# Altium PCB qfc.PcbDoc (part 8 of 13) (continued)
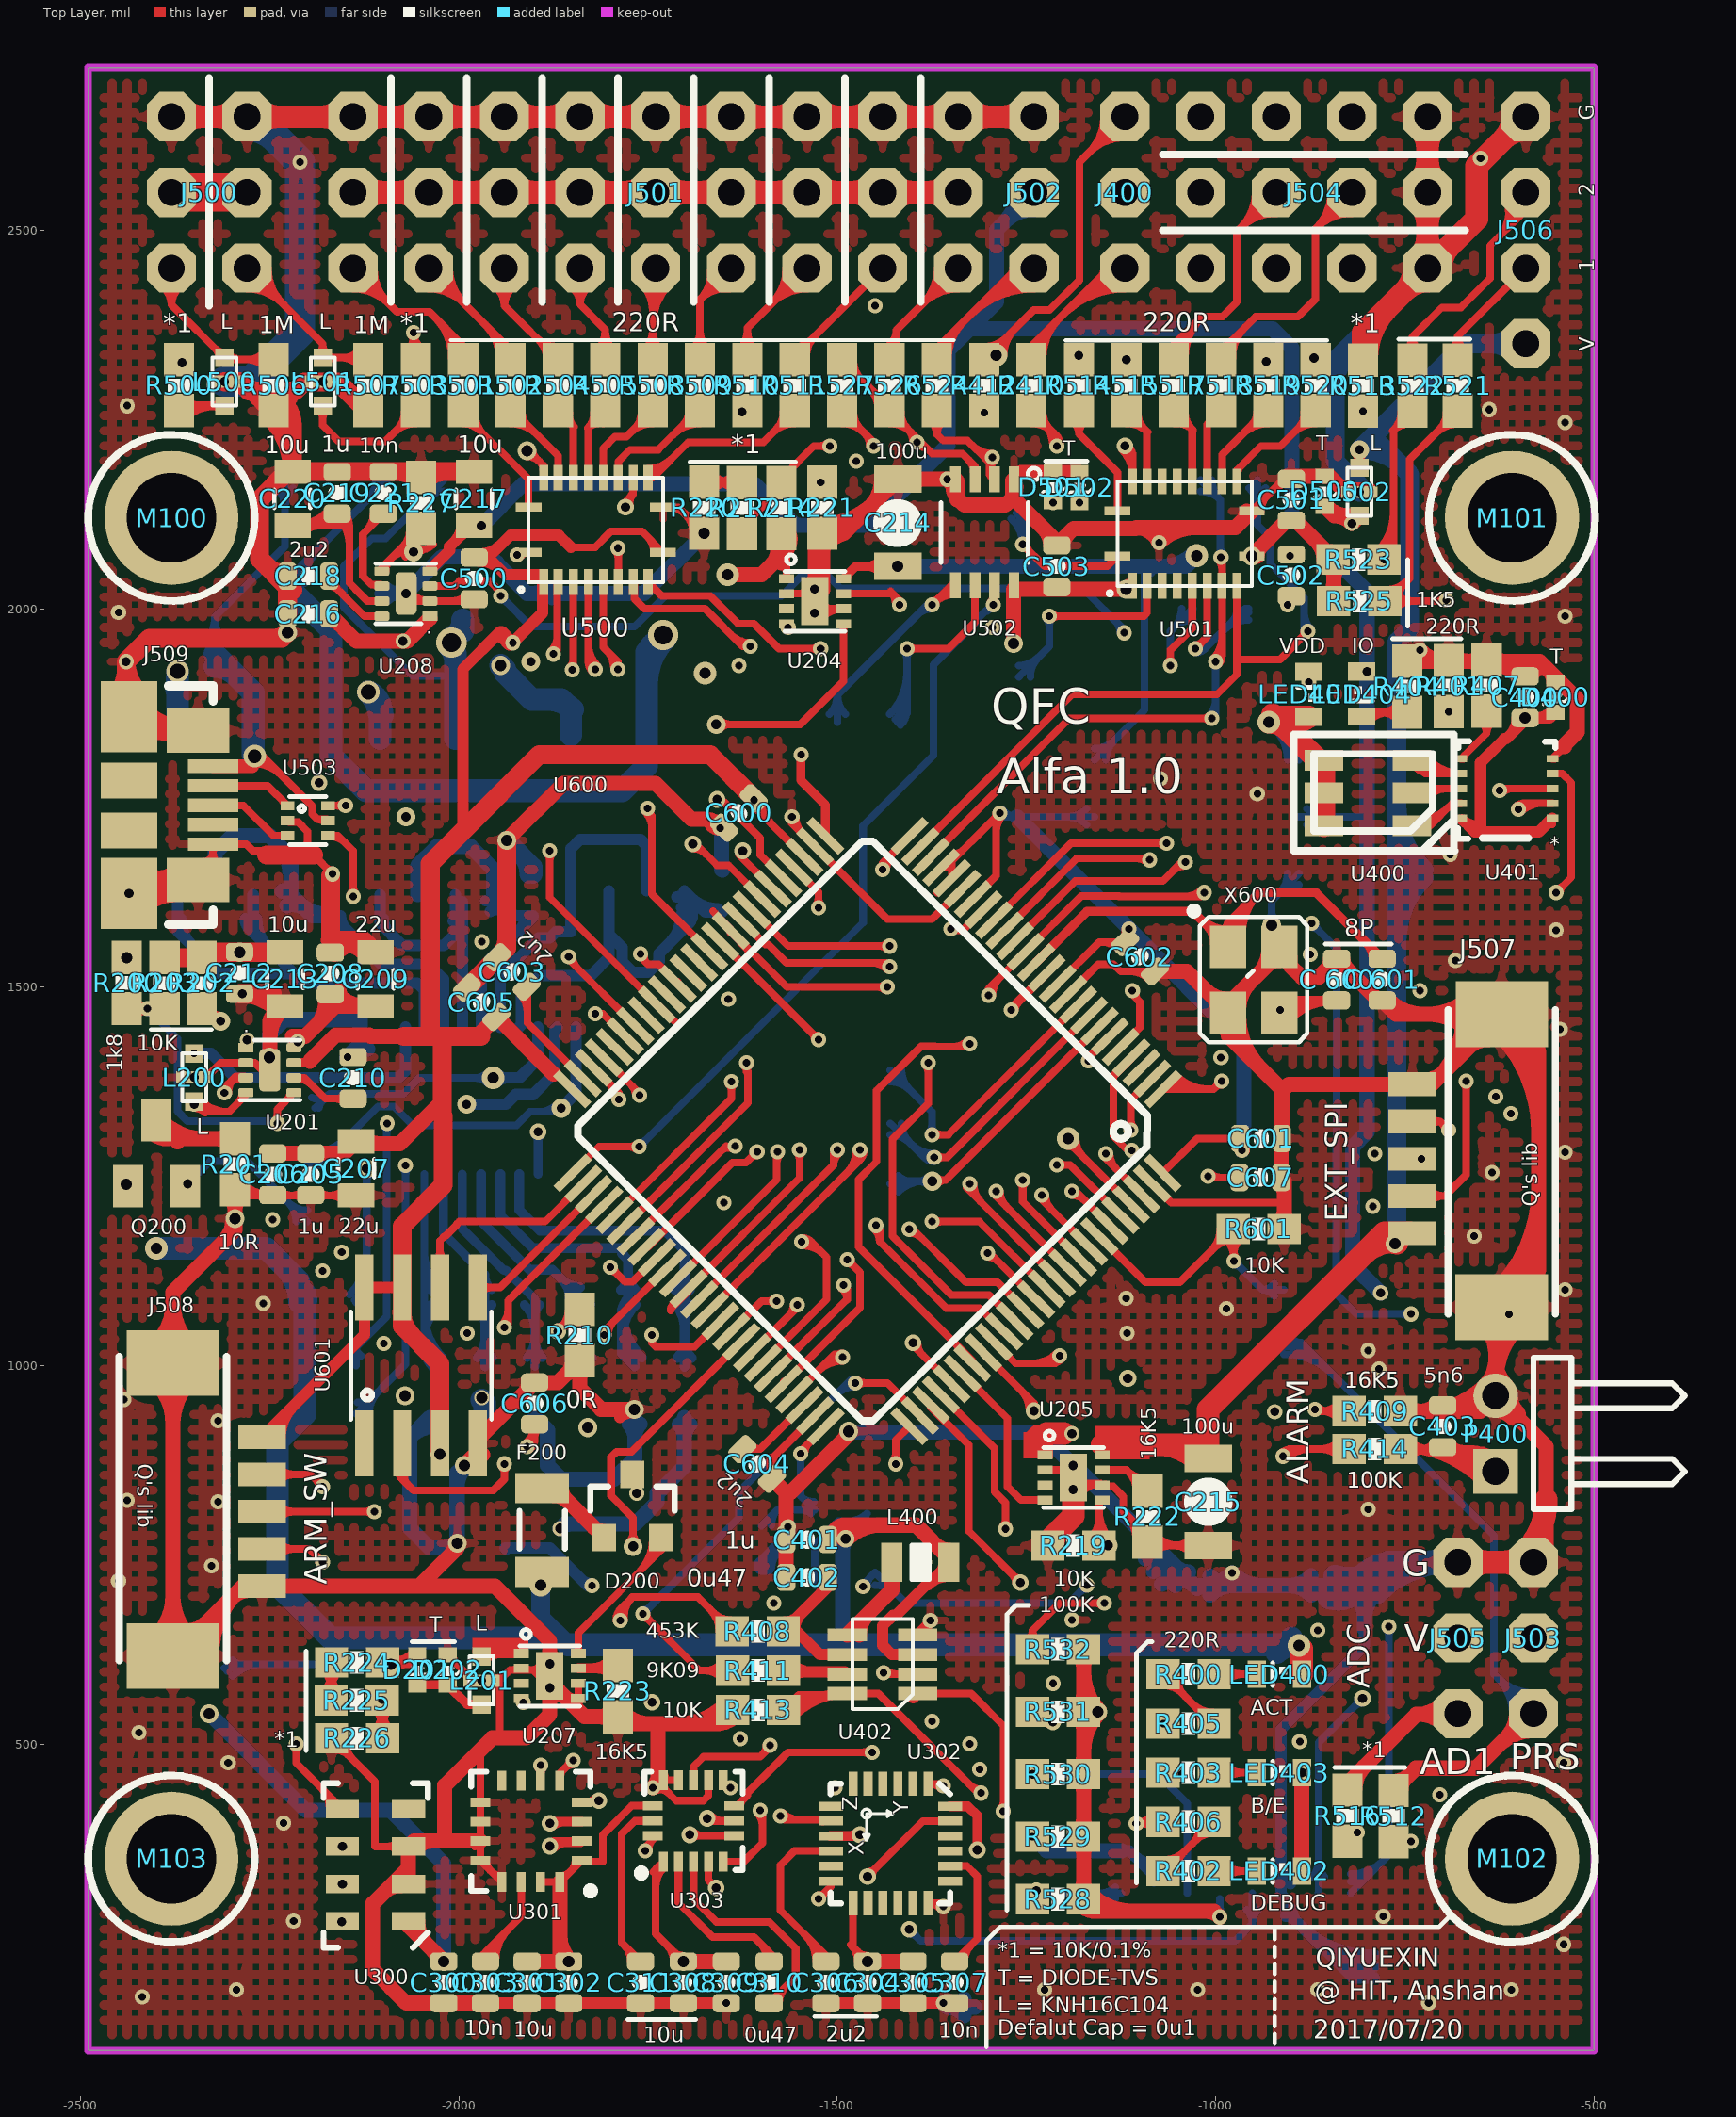
[diagram p0: Top Layer view]
## Nets (pads, with @x,y where several pads share a name; then routed paths per layer and width w, separated by ;. In a path a pad name is that pad's centre, name@x,y a point inside that pad or via, vN(x,y) a via of type N, cw(c..) or ccw(c..) an arc to the next point about the centre after c; other vN are vias at no path point) (continued)
  Mid-Layer 1 w10: v1(-2180,740) -1783.65,740 -1773.56,729.91 -1477.73,729.91 -1477.65,730 -1470.72,730 -1464.22,736.5 -1388.5,736.5 v1(-1385,740) ; v1@-2176.46,736.46 cw(c-2167.93,727.93) -2167.93,740 ; v1@-2176.46,736.46 cw(c-2167.93,727.93) -2167.93,740 ; v1@-2176.46,736.46 cw(c-2167.93,727.93) -2167.93,740 ; v1@-2176.46,736.46 cw(c-2167.93,727.93) -2167.93,740 ; v1@-2176.46,743.54 ccw(c-2167.93,752.07) -2167.93,740 ; v1@-2176.46,743.54 ccw(c-2167.93,752.07) -2167.93,740 ; v1@-2176.46,743.54 ccw(c-2167.93,752.07) -2167.93,740 ; v1@-2176.46,743.54 ccw(c-2167.93,752.07) -2167.93,740 ; -1405.52,736.5 ccw(c-1405.52,760.52) v1@-1388.54,743.54 ; -1405.52,736.5 ccw(c-1405.52,760.52) v1@-1388.54,743.54 ; -1405.52,736.5 ccw(c-1405.52,760.52) v1@-1388.54,743.54 ; -1405.52,736.5 ccw(c-1405.52,760.52) v1@-1388.54,743.54
  Mid-Layer 2 w10: v1(-1385,740) -1375,750 v1(-1375,1190) ; v1@-1388.54,743.54 ccw(c-1421.21,776.21) -1375,776.21 ; v1@-1388.54,743.54 ccw(c-1421.21,776.21) -1375,776.21 ; v1@-1388.54,743.54 ccw(c-1421.21,776.21) -1375,776.21 ; v1@-1388.54,743.54 ccw(c-1421.21,776.21) -1375,776.21 ; v1@-1381.46,736.46 ccw(c-1397.07,752.07) -1375,752.07 ; v1@-1381.46,736.46 ccw(c-1397.07,752.07) -1375,752.07 ; v1@-1381.46,736.46 ccw(c-1397.07,752.07) -1375,752.07 ; v1@-1381.46,736.46 ccw(c-1397.07,752.07) -1375,752.07 ; v1@-1378.54,1186.46 cw(c-1387.07,1177.93) -1375,1177.93 ; v1@-1378.54,1186.46 cw(c-1387.07,1177.93) -1375,1177.93 ; v1@-1378.54,1186.46 cw(c-1387.07,1177.93) -1375,1177.93 ; v1@-1378.54,1186.46 cw(c-1387.07,1177.93) -1375,1177.93 ; -1375,1177.93 cw(c-1362.93,1177.93) v1@-1371.46,1186.46 ; -1375,1177.93 cw(c-1362.93,1177.93) v1@-1371.46,1186.46 ; -1375,1177.93 cw(c-1362.93,1177.93) v1@-1371.46,1186.46 ; -1375,1177.93 cw(c-1362.93,1177.93) v1@-1371.46,1186.46
NetJ509_D+: J509.D+ U503.3 | length 175.7
  Top Layer w10: J509.D+@-2325,1740 -2285,1740 -2245,1700 U503.3@-2226.57,1700 ; J509.D+@-2297.67,1737.17 cw(c-2290.84,1730.34) -2290.84,1740 ; J509.D+@-2297.67,1737.17 cw(c-2290.84,1730.34) -2290.84,1740 ; J509.D+@-2297.67,1737.17 cw(c-2290.84,1730.34) -2290.84,1740 ; J509.D+@-2297.67,1737.17 cw(c-2290.84,1730.34) -2290.84,1740 ; J509.D+@-2297.67,1742.83 ccw(c-2290.84,1749.66) -2290.84,1740 ; J509.D+@-2297.67,1742.83 ccw(c-2290.84,1749.66) -2290.84,1740 ; J509.D+@-2297.67,1742.83 ccw(c-2290.84,1749.66) -2290.84,1740 ; J509.D+@-2297.67,1742.83 ccw(c-2290.84,1749.66) -2290.84,1740
NetJ509_D-: J509.D- U503.1 | length 200.3
  Top Layer w10: J509.D-@-2325,1766 -2252.89,1766 U503.1@-2226.57,1739.68 ; J509.D-@-2297.67,1763.17 cw(c-2290.84,1756.34) -2290.84,1766 ; J509.D-@-2297.67,1763.17 cw(c-2290.84,1756.34) -2290.84,1766 ; J509.D-@-2297.67,1763.17 cw(c-2290.84,1756.34) -2290.84,1766 ; J509.D-@-2297.67,1763.17 cw(c-2290.84,1756.34) -2290.84,1766 ; J509.D-@-2297.67,1768.83 ccw(c-2290.84,1775.66) -2290.84,1766 ; J509.D-@-2297.67,1768.83 ccw(c-2290.84,1775.66) -2290.84,1766 ; J509.D-@-2297.67,1768.83 ccw(c-2290.84,1775.66) -2290.84,1766 ; J509.D-@-2297.67,1768.83 ccw(c-2290.84,1775.66) -2290.84,1766 ; -2233.4,1746.51 cw(c-2240.23,1739.68) U503.1@-2230.57,1739.68 ; -2233.4,1746.51 cw(c-2240.23,1739.68) U503.1@-2230.57,1739.68 ; -2233.4,1746.51 cw(c-2240.23,1739.68) U503.1@-2230.57,1739.68 ; -2233.4,1746.51 cw(c-2240.23,1739.68) U503.1@-2230.57,1739.68
NetL400_P$2: L400.P$2 U402.5 | length 241.8
  Top Layer w20: U402.5@-1487,644 -1428,703 L400.P$2@-1428,740 ; U402.5@-1471,644 cw(c-1432.37,644) -1459.69,671.31 ; U402.5@-1471,644 cw(c-1432.37,644) -1459.69,671.31 ; U402.5@-1471,644 cw(c-1432.37,644) -1459.69,671.31 ; U402.5@-1471,644 cw(c-1432.37,644) -1459.69,671.31
NetL500_P$2: L500.P$2 R500.1 | length 366.1
  Top Layer w12: R500.1@-2370,2261.54 -2363.54,2268 L500.P$2@-2310,2268 ; R500.1@-2360.1,2253.64 cw(c-2325.43,2218.96) -2325.43,2268 ; R500.1@-2360.1,2253.64 cw(c-2325.43,2218.96) -2325.43,2268 ; R500.1@-2360.1,2253.64 cw(c-2325.43,2218.96) -2325.43,2268 ; R500.1@-2360.1,2253.64 cw(c-2325.43,2218.96) -2325.43,2268 ; R500.1@-2360.1,2273.44 ccw(c-2346.98,2286.56) -2346.98,2268 ; R500.1@-2360.1,2273.44 ccw(c-2346.98,2286.56) -2346.98,2268 ; R500.1@-2360.1,2273.44 ccw(c-2346.98,2286.56) -2346.98,2268 ; R500.1@-2360.1,2273.44 ccw(c-2346.98,2286.56) -2346.98,2268 ; -2324.49,2268 cw(c-2324.49,2253.51) L500.P$2@-2314.24,2263.76 ; -2324.49,2268 ccw(c-2324.49,2282.49) L500.P$2@-2314.24,2272.24 ; -2324.49,2268 cw(c-2324.49,2253.51) L500.P$2@-2314.24,2263.76 ; -2324.49,2268 ccw(c-2324.49,2282.49) L500.P$2@-2314.24,2272.24 ; -2324.49,2268 cw(c-2324.49,2253.51) L500.P$2@-2314.24,2263.76 ; -2324.49,2268 ccw(c-2324.49,2282.49) L500.P$2@-2314.24,2272.24 ; -2324.49,2268 cw(c-2324.49,2253.51) L500.P$2@-2314.24,2263.76 ; -2324.49,2268 ccw(c-2324.49,2282.49) L500.P$2@-2314.24,2272.24
NetL501_P$2: L501.P$2 R503.1 | length 508.2
  Top Layer w10: L501.P$2@-2180,2268 -2180,2242 -2159,2221 -2097.57,2221 R503.1@-2057.04,2261.54 ; L501.P$2@-2184.95,2263.05 cw(c-2196.9,2251.1) -2180,2251.1 ; L501.P$2@-2184.95,2263.05 cw(c-2196.9,2251.1) -2180,2251.1 ; L501.P$2@-2184.95,2263.05 cw(c-2196.9,2251.1) -2180,2251.1 ; L501.P$2@-2184.95,2263.05 cw(c-2196.9,2251.1) -2180,2251.1 ; -2180,2251.1 cw(c-2163.1,2251.1) L501.P$2@-2175.05,2263.05 ; -2180,2251.1 cw(c-2163.1,2251.1) L501.P$2@-2175.05,2263.05 ; -2180,2251.1 cw(c-2163.1,2251.1) L501.P$2@-2175.05,2263.05 ; -2180,2251.1 cw(c-2163.1,2251.1) L501.P$2@-2175.05,2263.05 ; -2086.06,2232.52 cw(c-2057.04,2203.5) R503.1@-2057.04,2244.54 ; -2086.06,2232.52 cw(c-2057.04,2203.5) R503.1@-2057.04,2244.54 ; -2086.06,2232.52 cw(c-2057.04,2203.5) R503.1@-2057.04,2244.54 ; -2086.06,2232.52 cw(c-2057.04,2203.5) R503.1@-2057.04,2244.54 ; -2081.23,2237.34 ccw(c-2103.42,2259.54) R503.1@-2072.04,2259.54 ; -2081.23,2237.34 ccw(c-2103.42,2259.54) R503.1@-2072.04,2259.54 ; -2081.23,2237.34 ccw(c-2103.42,2259.54) R503.1@-2072.04,2259.54 ; -2081.23,2237.34 ccw(c-2103.42,2259.54) R503.1@-2072.04,2259.54
NetLED400_C: LED400.C R400.2 | length 390.2
  Top Layer w10: R400.2@-1001.98,592 LED400.C@-945.51,592 ; R400.2@-989.38,581.39 cw(c-963.77,555.79) -963.77,592 ; R400.2@-989.38,581.39 cw(c-963.77,555.79) -963.77,592 ; R400.2@-989.38,581.39 cw(c-963.77,555.79) -963.77,592 ; R400.2@-989.38,581.39 cw(c-963.77,555.79) -963.77,592 ; R400.2@-989.38,602.61 ccw(c-963.77,628.21) -963.77,592 ; R400.2@-989.38,602.61 ccw(c-963.77,628.21) -963.77,592 ; R400.2@-989.38,602.61 ccw(c-963.77,628.21) -963.77,592 ; R400.2@-989.38,602.61 ccw(c-963.77,628.21) -963.77,592 ; -962.41,592 cw(c-962.41,575.1) LED400.C@-950.46,587.05 ; -962.41,592 ccw(c-962.41,608.9) LED400.C@-950.46,596.95 ; -962.41,592 cw(c-962.41,575.1) LED400.C@-950.46,587.05 ; -962.41,592 ccw(c-962.41,608.9) LED400.C@-950.46,596.95 ; -962.41,592 cw(c-962.41,575.1) LED400.C@-950.46,587.05 ; -962.41,592 ccw(c-962.41,608.9) LED400.C@-950.46,596.95 ; -962.41,592 cw(c-962.41,575.1) LED400.C@-950.46,587.05 ; -962.41,592 ccw(c-962.41,608.9) LED400.C@-950.46,596.95
NetLED401_C: LED401.C R401.2 | length 496.4
  Top Layer w10: LED401.C@-877,1916.53 v1(-877,1903) ; LED401.C@-881.04,1910.81 cw(c-886.57,1903) v1(-877,1903) ; LED401.C@-881.04,1910.81 cw(c-886.57,1903) v1(-877,1903) ; LED401.C@-881.04,1910.81 cw(c-886.57,1903) v1(-877,1903) ; LED401.C@-881.04,1910.81 cw(c-886.57,1903) v1(-877,1903) ; LED401.C@-880.54,1906.54 ccw(c-889.07,1915.07) LED401.C@-877,1915.07 ; LED401.C@-880.54,1906.54 ccw(c-889.07,1915.07) LED401.C@-877,1915.07 ; LED401.C@-880.54,1906.54 ccw(c-889.07,1915.07) LED401.C@-877,1915.07 ; v1(-877,1903) cw(c-867.43,1903) LED401.C@-872.96,1910.81 ; v1(-877,1903) cw(c-867.43,1903) LED401.C@-872.96,1910.81 ; v1(-877,1903) cw(c-867.43,1903) LED401.C@-872.96,1910.81 ; v1(-877,1903) cw(c-867.43,1903) LED401.C@-872.96,1910.81 ; LED401.C@-877,1915.07 ccw(c-864.93,1915.07) LED401.C@-873.46,1906.54 ; LED401.C@-877,1915.07 ccw(c-864.93,1915.07) LED401.C@-873.46,1906.54 ; LED401.C@-877,1915.07 ccw(c-864.93,1915.07) LED401.C@-873.46,1906.54
  Mid-Layer 1 w10: v1(-877,1903) -838,1864 v1(-692,1864) ; v1@-877,1898 cw(c-877,1885.93) -868.46,1894.46 ; v1@-877,1898 cw(c-877,1885.93) -868.46,1894.46 ; v1@-877,1898 cw(c-877,1885.93) -868.46,1894.46 ; v1@-877,1898 cw(c-877,1885.93) -868.46,1894.46 ; v1@-872,1903 ccw(c-859.93,1903) -868.46,1894.46 ; v1@-872,1903 ccw(c-859.93,1903) -868.46,1894.46 ; v1@-872,1903 ccw(c-859.93,1903) -868.46,1894.46 ; v1@-872,1903 ccw(c-859.93,1903) -868.46,1894.46 ; -704.07,1864 cw(c-704.07,1851.93) v1@-695.54,1860.46 ; -704.07,1864 ccw(c-704.07,1876.07) v1@-695.54,1867.53 ; -704.07,1864 cw(c-704.07,1851.93) v1@-695.54,1860.46 ; -704.07,1864 ccw(c-704.07,1876.07) v1@-695.54,1867.53 ; -704.07,1864 cw(c-704.07,1851.93) v1@-695.54,1860.46 ; -704.07,1864 ccw(c-704.07,1876.07) v1@-695.54,1867.53 ; -704.07,1864 cw(c-704.07,1851.93) v1@-695.54,1860.46 ; -704.07,1864 ccw(c-704.07,1876.07) v1@-695.54,1867.53
NetLED402_C: LED402.C R402.2 | length 390.2
  Top Layer w10: R402.2@-1001.98,332 LED402.C@-945.51,332 ; R402.2@-989.38,321.39 cw(c-963.77,295.79) -963.77,332 ; R402.2@-989.38,321.39 cw(c-963.77,295.79) -963.77,332 ; R402.2@-989.38,321.39 cw(c-963.77,295.79) -963.77,332 ; R402.2@-989.38,321.39 cw(c-963.77,295.79) -963.77,332 ; R402.2@-989.38,342.61 ccw(c-963.77,368.21) -963.77,332 ; R402.2@-989.38,342.61 ccw(c-963.77,368.21) -963.77,332 ; R402.2@-989.38,342.61 ccw(c-963.77,368.21) -963.77,332 ; R402.2@-989.38,342.61 ccw(c-963.77,368.21) -963.77,332 ; -962.41,332 cw(c-962.41,315.1) LED402.C@-950.46,327.05 ; -962.41,332 ccw(c-962.41,348.9) LED402.C@-950.46,336.95 ; -962.41,332 cw(c-962.41,315.1) LED402.C@-950.46,327.05 ; -962.41,332 ccw(c-962.41,348.9) LED402.C@-950.46,336.95 ; -962.41,332 cw(c-962.41,315.1) LED402.C@-950.46,327.05 ; -962.41,332 ccw(c-962.41,348.9) LED402.C@-950.46,336.95 ; -962.41,332 cw(c-962.41,315.1) LED402.C@-950.46,327.05 ; -962.41,332 ccw(c-962.41,348.9) LED402.C@-950.46,336.95
NetLED403_C: LED403.C R403.2 | length 390.2
  Top Layer w10: R403.2@-1001.98,462 LED403.C@-945.51,462 ; R403.2@-989.38,451.39 cw(c-963.77,425.79) -963.77,462 ; R403.2@-989.38,451.39 cw(c-963.77,425.79) -963.77,462 ; R403.2@-989.38,451.39 cw(c-963.77,425.79) -963.77,462 ; R403.2@-989.38,451.39 cw(c-963.77,425.79) -963.77,462 ; R403.2@-989.38,472.61 ccw(c-963.77,498.21) -963.77,462 ; R403.2@-989.38,472.61 ccw(c-963.77,498.21) -963.77,462 ; R403.2@-989.38,472.61 ccw(c-963.77,498.21) -963.77,462 ; R403.2@-989.38,472.61 ccw(c-963.77,498.21) -963.77,462 ; -962.41,462 cw(c-962.41,445.1) LED403.C@-950.46,457.05 ; -962.41,462 ccw(c-962.41,478.9) LED403.C@-950.46,466.95 ; -962.41,462 cw(c-962.41,445.1) LED403.C@-950.46,457.05 ; -962.41,462 ccw(c-962.41,478.9) LED403.C@-950.46,466.95 ; -962.41,462 cw(c-962.41,445.1) LED403.C@-950.46,457.05 ; -962.41,462 ccw(c-962.41,478.9) LED403.C@-950.46,466.95 ; -962.41,462 cw(c-962.41,445.1) LED403.C@-950.46,457.05 ; -962.41,462 ccw(c-962.41,478.9) LED403.C@-950.46,466.95
NetLED404_C: LED404.C R404.2 | length 402.2
  Top Layer w10: LED404.C@-807,1857.47 -801.47,1863 R404.2@-747,1863 ; LED404.C@-796.05,1852.52 cw(c-770.76,1827.23) -770.76,1863 ; LED404.C@-796.05,1852.52 cw(c-770.76,1827.23) -770.76,1863 ; LED404.C@-796.05,1852.52 cw(c-770.76,1827.23) -770.76,1863 ; LED404.C@-796.05,1852.52 cw(c-770.76,1827.23) -770.76,1863 ; -783.21,1863 cw(c-783.21,1826.79) R404.2@-757.61,1852.39 ; -783.21,1863 ccw(c-783.21,1899.21) R404.2@-757.61,1873.61 ; -783.21,1863 cw(c-783.21,1826.79) R404.2@-757.61,1852.39 ; -783.21,1863 ccw(c-783.21,1899.21) R404.2@-757.61,1873.61 ; -783.21,1863 cw(c-783.21,1826.79) R404.2@-757.61,1852.39 ; -783.21,1863 ccw(c-783.21,1899.21) R404.2@-757.61,1873.61 ; -783.21,1863 cw(c-783.21,1826.79) R404.2@-757.61,1852.39 ; -783.21,1863 ccw(c-783.21,1899.21) R404.2@-757.61,1873.61
NetQ200_B: Q200.B R200.2 | length 303.8
  Top Layer w20: v3(-2440,1239.29) Q200.B@-2437.4,1236.69
  Mid-Layer 1 w20: v3(-2440,1239.29) -2440,1538 v3(-2439,1539)
NetQ200_C: Q200.C R201.2 | length 737.2
  Top Layer w20: Q200.C@-2400,1324 -2375.69,1299.69 R201.2@-2296,1299.69 ; Q200.C@-2407.07,1308.93 ccw(c-2384.77,1331.23) Q200.C@-2384.77,1299.69 ; Q200.C@-2407.07,1308.93 ccw(c-2384.77,1331.23) Q200.C@-2384.77,1299.69 ; Q200.C@-2407.07,1308.93 ccw(c-2384.77,1331.23) Q200.C@-2384.77,1299.69 ; Q200.C@-2407.07,1308.93 ccw(c-2384.77,1331.23) Q200.C@-2384.77,1299.69 ; Q200.C@-2399.31,1306.03 cw(c-2396.84,1270.55) -2371.69,1295.69 ; Q200.C@-2399.31,1306.03 cw(c-2396.84,1270.55) -2371.69,1295.69 ; Q200.C@-2399.31,1306.03 cw(c-2396.84,1270.55) -2371.69,1295.69 ; Q200.C@-2399.31,1306.03 cw(c-2396.84,1270.55) -2371.69,1295.69 ; Q200.C@-2392.93,1323.07 ccw(c-2336.49,1379.51) -2336.49,1299.69 ; Q200.C@-2392.93,1323.07 ccw(c-2336.49,1379.51) -2336.49,1299.69 ; Q200.C@-2392.93,1323.07 ccw(c-2336.49,1379.51) -2336.49,1299.69 ; Q200.C@-2392.93,1323.07 ccw(c-2336.49,1379.51) -2336.49,1299.69 ; -2320.14,1299.69 cw(c-2320.14,1275.55) R201.2@-2303.07,1292.62 ; -2320.14,1299.69 ccw(c-2320.14,1323.84) R201.2@-2303.07,1306.76 ; -2320.14,1299.69 cw(c-2320.14,1275.55) R201.2@-2303.07,1292.62 ; -2320.14,1299.69 ccw(c-2320.14,1323.84) R201.2@-2303.07,1306.76 ; -2320.14,1299.69 cw(c-2320.14,1275.55) R201.2@-2303.07,1292.62 ; -2320.14,1299.69 ccw(c-2320.14,1323.84) R201.2@-2303.07,1306.76 ; -2320.14,1299.69 cw(c-2320.14,1275.55) R201.2@-2303.07,1292.62 ; -2320.14,1299.69 ccw(c-2320.14,1323.84) R201.2@-2303.07,1306.76
NetR200_1: R200.1 R203.1 U201.5 U600.69 | length 3069
  Top Layer w10: R200.1@-2439,1471.54 R203.1@-2389,1471.54 ; v1(-2240,1320) -2240,1338.47 U201.5@-2218,1360.47 ; U600.69@-1598.59,1003.12 -1514,1087.71 -1514,1143 -1534.6,1163.6 v1(-1547,1163.6) ; R200.1@-2428.39,1460.93 cw(c-2402.79,1435.32) R203.1@-2402.79,1471.54 ; R200.1@-2428.39,1460.93 cw(c-2402.79,1435.32) R203.1@-2402.79,1471.54 ; R200.1@-2428.39,1460.93 cw(c-2402.79,1435.32) R203.1@-2402.79,1471.54 ; R200.1@-2428.39,1460.93 cw(c-2402.79,1435.32) R203.1@-2402.79,1471.54 ; R200.1@-2428.39,1482.14 ccw(c-2402.79,1507.75) R203.1@-2402.79,1471.54 ; R200.1@-2428.39,1482.14 ccw(c-2402.79,1507.75) R203.1@-2402.79,1471.54 ; R200.1@-2428.39,1482.14 ccw(c-2402.79,1507.75) R203.1@-2402.79,1471.54 ; R200.1@-2428.39,1482.14 ccw(c-2402.79,1507.75) R203.1@-2402.79,1471.54 ; R200.1@-2425.21,1471.54 cw(c-2425.21,1435.32) R203.1@-2399.61,1460.93 ; R200.1@-2425.21,1471.54 ccw(c-2425.21,1507.75) R203.1@-2399.61,1482.14 ; R200.1@-2425.21,1471.54 cw(c-2425.21,1435.32) R203.1@-2399.61,1460.93 ; R200.1@-2425.21,1471.54 ccw(c-2425.21,1507.75) R203.1@-2399.61,1482.14 ; R200.1@-2425.21,1471.54 cw(c-2425.21,1435.32) R203.1@-2399.61,1460.93 ; R200.1@-2425.21,1471.54 ccw(c-2425.21,1507.75) R203.1@-2399.61,1482.14 ; R200.1@-2425.21,1471.54 cw(c-2425.21,1435.32) R203.1@-2399.61,1460.93 ; R200.1@-2425.21,1471.54 ccw(c-2425.21,1507.75) R203.1@-2399.61,1482.14 ; R200.1@-2424.07,1471.54 cw(c-2424.07,1459.46) v1@-2415.54,1468 ; R200.1@-2424.07,1471.54 ccw(c-2424.07,1483.61) v1@-2415.54,1475.07 ; R200.1@-2424.07,1471.54 cw(c-2424.07,1459.46) v1@-2415.54,1468 ; R200.1@-2424.07,1471.54 ccw(c-2424.07,1483.61) v1@-2415.54,1475.07 ; R200.1@-2424.07,1471.54 cw(c-2424.07,1459.46) v1@-2415.54,1468 ; R200.1@-2424.07,1471.54 ccw(c-2424.07,1483.61) v1@-2415.54,1475.07 ; R200.1@-2424.07,1471.54 cw(c-2424.07,1459.46) v1@-2415.54,1468 ; R200.1@-2424.07,1471.54 ccw(c-2424.07,1483.61) v1@-2415.54,1475.07 ; R203.1@-2408.46,1468 cw(c-2399.93,1459.46) R203.1@-2399.93,1471.54 ; R203.1@-2408.46,1468 cw(c-2399.93,1459.46) R203.1@-2399.93,1471.54 ; R203.1@-2408.46,1468 cw(c-2399.93,1459.46) R203.1@-2399.93,1471.54 ; R203.1@-2408.46,1468 cw(c-2399.93,1459.46) R203.1@-2399.93,1471.54 ; R203.1@-2408.46,1475.07 ccw(c-2399.93,1483.61) R203.1@-2399.93,1471.54 ; R203.1@-2408.46,1475.07 ccw(c-2399.93,1483.61) R203.1@-2399.93,1471.54 ; R203.1@-2408.46,1475.07 ccw(c-2399.93,1483.61) R203.1@-2399.93,1471.54 ; R203.1@-2408.46,1475.07 ccw(c-2399.93,1483.61) R203.1@-2399.93,1471.54 ; v1@-2243.54,1323.54 ccw(c-2252.07,1332.07) -2240,1332.07 ; v1@-2243.54,1323.54 ccw(c-2252.07,1332.07) -2240,1332.07 ; v1@-2243.54,1323.54 ccw(c-2252.07,1332.07) -2240,1332.07 ; v1@-2243.54,1323.54 ccw(c-2252.07,1332.07) -2240,1332.07 ; -2240,1332.07 ccw(c-2227.93,1332.07) v1@-2236.46,1323.54 ; -2240,1332.07 ccw(c-2227.93,1332.07) v1@-2236.46,1323.54 ; -2240,1332.07 ccw(c-2227.93,1332.07) v1@-2236.46,1323.54 ; -2240,1332.07 ccw(c-2227.93,1332.07) v1@-2236.46,1323.54 ; -2226.54,1351.94 ccw(c-2235.07,1360.47) U201.5@-2223,1360.47 ; -2226.54,1351.94 ccw(c-2235.07,1360.47) U201.5@-2223,1360.47 ; -2226.54,1351.94 ccw(c-2235.07,1360.47) U201.5@-2223,1360.47 ; -2226.54,1351.94 ccw(c-2235.07,1360.47) U201.5@-2223,1360.47 ; v1@-1547,1158.6 cw(c-1547,1116.6) -1517.3,1146.3 ; v1@-1547,1158.6 cw(c-1547,1116.6) -1517.3,1146.3 ; v1@-1547,1158.6 cw(c-1547,1116.6) -1517.3,1146.3 ; v1@-1547,1158.6 cw(c-1547,1116.6) -1517.3,1146.3 ; v1@-1547,1168.6 cw(c-1547,1150.75) -1534.37,1163.37 ; v1@-1547,1168.6 cw(c-1547,1150.75) -1534.37,1163.37 ; v1@-1547,1168.6 cw(c-1547,1150.75) -1534.37,1163.37 ; v1@-1547,1168.6 cw(c-1547,1150.75) -1534.37,1163.37 ; v1@-1544.4,1159.33 cw(c-1537.63,1148.18) -1528.41,1157.41 ; v1@-1544.4,1159.33 cw(c-1537.63,1148.18) -1528.41,1157.41 ; v1@-1544.4,1159.33 cw(c-1537.63,1148.18) -1528.41,1157.41 ; v1@-1543.46,1160.07 cw(c-1534.93,1151.53) -1534.93,1163.6 ; v1@-1543.46,1160.07 cw(c-1534.93,1151.53) -1534.93,1163.6 ; v1@-1543.46,1160.07 cw(c-1534.93,1151.53) -1534.93,1163.6 ; v1@-1543.46,1167.14 ccw(c-1534.93,1175.67) -1534.93,1163.6 ; v1@-1543.46,1167.14 ccw(c-1534.93,1175.67) -1534.93,1163.6 ; v1@-1543.46,1167.14 ccw(c-1534.93,1175.67) -1534.93,1163.6
  Mid-Layer 1 w10: v1(-2246,1193) -2226,1173 -1556.4,1173 v1(-1547,1163.6) v1@-1547,1166 ; v1@-2246,1188 cw(c-2246,1175.93) -2237.46,1184.46 ; v1@-2246,1188 cw(c-2246,1175.93) -2237.46,1184.46 ; v1@-2246,1188 cw(c-2246,1175.93) -2237.46,1184.46 ; v1@-2246,1188 cw(c-2246,1175.93) -2237.46,1184.46 ; v1@-2241,1193 ccw(c-2228.93,1193) -2237.46,1184.46 ; v1@-2241,1193 ccw(c-2228.93,1193) -2237.46,1184.46 ; v1@-2241,1193 ccw(c-2228.93,1193) -2237.46,1184.46 ; v1@-2241,1193 ccw(c-2228.93,1193) -2237.46,1184.46 ; -1581.76,1173 cw(c-1581.76,1128.85) v1@-1550.54,1160.07 ; -1581.76,1173 cw(c-1581.76,1128.85) v1@-1550.54,1160.07 ; -1581.76,1173 cw(c-1581.76,1128.85) v1@-1550.54,1160.07 ; -1581.76,1173 cw(c-1581.76,1128.85) v1@-1550.54,1160.07 ; -1557.61,1173 cw(c-1557.61,1152.99) v1@-1543.46,1167.14 ; -1557.61,1173 cw(c-1557.61,1152.99) v1@-1543.46,1167.14 ; -1557.61,1173 cw(c-1557.61,1152.99) v1@-1543.46,1167.14 ; -1557.61,1173 cw(c-1557.61,1152.99) v1@-1543.46,1167.14
  Mid-Layer 2 w10: v1(-2246,1193) -2246,1314 v1(-2240,1320) ; v1@-2249.54,1196.54 ccw(c-2258.07,1205.07) -2246,1205.07 ; v1@-2249.54,1196.54 ccw(c-2258.07,1205.07) -2246,1205.07 ; v1@-2249.54,1196.54 ccw(c-2258.07,1205.07) -2246,1205.07 ; v1@-2249.54,1196.54 ccw(c-2258.07,1205.07) -2246,1205.07 ; -2246,1205.07 ccw(c-2233.93,1205.07) v1@-2242.46,1196.54 ; -2246,1205.07 ccw(c-2233.93,1205.07) v1@-2242.46,1196.54 ; -2246,1205.07 ccw(c-2233.93,1205.07) v1@-2242.46,1196.54 ; -2246,1205.07 ccw(c-2233.93,1205.07) v1@-2242.46,1196.54 ; -2246,1293.44 cw(c-2213.44,1293.44) v1@-2236.46,1316.46 ; -2246,1293.44 cw(c-2213.44,1293.44) v1@-2236.46,1316.46 ; -2246,1293.44 cw(c-2213.44,1293.44) v1@-2236.46,1316.46 ; -2246,1293.44 cw(c-2213.44,1293.44) v1@-2236.46,1316.46
  Bottom Layer w10: v1(-2412,1471.54) -2372,1431.54 -2372,1335.89 -2359.11,1323 -2243,1323 v1(-2240,1320) ; v1@-2412,1466.54 cw(c-2412,1454.46) -2403.46,1463 ; v1@-2412,1466.54 cw(c-2412,1454.46) -2403.46,1463 ; v1@-2412,1466.54 cw(c-2412,1454.46) -2403.46,1463 ; v1@-2412,1466.54 cw(c-2412,1454.46) -2403.46,1463 ; v1@-2407,1471.54 ccw(c-2394.93,1471.54) -2403.46,1463 ; v1@-2407,1471.54 ccw(c-2394.93,1471.54) -2403.46,1463 ; v1@-2407,1471.54 ccw(c-2394.93,1471.54) -2403.46,1463 ; v1@-2407,1471.54 ccw(c-2394.93,1471.54) -2403.46,1463 ; -2259.32,1323 cw(c-2259.32,1300.68) v1@-2243.54,1316.46 ; -2259.32,1323 cw(c-2259.32,1300.68) v1@-2243.54,1316.46 ; -2259.32,1323 cw(c-2259.32,1300.68) v1@-2243.54,1316.46 ; -2259.32,1323 cw(c-2259.32,1300.68) v1@-2243.54,1316.46
NetR207_1: R207.1 R209.2 U206.4 | length 1056
  Bottom Layer w13: U206.4@-1920.5,1253 -1920.5,1205.55 -1892.95,1178 -1728,1178 -1702,1152 R207.1@-1702,998.47 ; R209.2@-1714.2,1080.4 cw(c-1743.67,1050.94) -1702,1050.94 ; R209.2@-1714.2,1080.4 cw(c-1743.67,1050.94) -1702,1050.94 ; R209.2@-1714.2,1080.4 cw(c-1743.67,1050.94) -1702,1050.94 ; R209.2@-1714.2,1080.4 cw(c-1743.67,1050.94) -1702,1050.94 ; R209.2@-1714.2,1099.49 ccw(c-1743.67,1128.95) -1702,1128.95 ; R209.2@-1714.2,1099.49 ccw(c-1743.67,1128.95) -1702,1128.95 ; R209.2@-1714.2,1099.49 ccw(c-1743.67,1128.95) -1702,1128.95 ; R209.2@-1714.2,1099.49 ccw(c-1743.67,1128.95) -1702,1128.95 ; R207.1@-1711.55,1010.01 ccw(c-1734.59,1033.06) -1702,1033.06 ; R207.1@-1711.55,1010.01 ccw(c-1734.59,1033.06) -1702,1033.06 ; R207.1@-1711.55,1010.01 ccw(c-1734.59,1033.06) -1702,1033.06 ; R207.1@-1711.55,1010.01 ccw(c-1734.59,1033.06) -1702,1033.06 ; -1702,1033.06 ccw(c-1669.41,1033.06) R207.1@-1692.45,1010.01 ; -1702,1033.06 ccw(c-1669.41,1033.06) R207.1@-1692.45,1010.01 ; -1702,1033.06 ccw(c-1669.41,1033.06) R207.1@-1692.45,1010.01 ; -1702,1033.06 ccw(c-1669.41,1033.06) R207.1@-1692.45,1010.01 ; -1702,1063.77 cw(c-1678.48,1063.77) R209.2@-1695.11,1080.4 ; -1702,1063.77 cw(c-1678.48,1063.77) R209.2@-1695.11,1080.4 ; -1702,1063.77 cw(c-1678.48,1063.77) R209.2@-1695.11,1080.4 ; -1702,1063.77 cw(c-1678.48,1063.77) R209.2@-1695.11,1080.4 ; -1702,1116.12 ccw(c-1678.48,1116.12) R209.2@-1695.11,1099.49 ; -1702,1116.12 ccw(c-1678.48,1116.12) R209.2@-1695.11,1099.49 ; -1702,1116.12 ccw(c-1678.48,1116.12) R209.2@-1695.11,1099.49 ; -1702,1116.12 ccw(c-1678.48,1116.12) R209.2@-1695.11,1099.49
NetR208_1: R208.1 R211.2 U206.6 | length 942.9
  Bottom Layer w13: U206.6@-1970.5,1253 -1970.5,1190.5 -1906.45,1126.45 -1876.63,1126.45 -1834,1083.81 R208.1@-1834,998.47 ; -1863.27,1113.08 ccw(c-1840,1136.35) R211.2@-1840,1103.45 ; -1863.27,1113.08 ccw(c-1840,1136.35) R211.2@-1840,1103.45 ; -1863.27,1113.08 ccw(c-1840,1136.35) R211.2@-1840,1103.45 ; -1863.27,1113.08 ccw(c-1840,1136.35) R211.2@-1840,1103.45 ; -1862.95,1112.77 cw(c-1885.77,1089.95) R211.2@-1853.5,1089.95 ; -1862.95,1112.77 cw(c-1885.77,1089.95) R211.2@-1853.5,1089.95 ; -1862.95,1112.77 cw(c-1885.77,1089.95) R211.2@-1853.5,1089.95 ; -1862.95,1112.77 cw(c-1885.77,1089.95) R211.2@-1853.5,1089.95 ; R211.2@-1845.55,1080.4 cw(c-1873.42,1052.53) -1834,1052.53 ; R211.2@-1845.55,1080.4 cw(c-1873.42,1052.53) -1834,1052.53 ; R211.2@-1845.55,1080.4 cw(c-1873.42,1052.53) -1834,1052.53 ; R211.2@-1845.55,1080.4 cw(c-1873.42,1052.53) -1834,1052.53 ; R208.1@-1843.55,1010.01 ccw(c-1866.59,1033.06) -1834,1033.06 ; R208.1@-1843.55,1010.01 ccw(c-1866.59,1033.06) -1834,1033.06 ; R208.1@-1843.55,1010.01 ccw(c-1866.59,1033.06) -1834,1033.06 ; R208.1@-1843.55,1010.01 ccw(c-1866.59,1033.06) -1834,1033.06 ; -1834,1033.06 ccw(c-1801.41,1033.06) R208.1@-1824.45,1010.01 ; -1834,1033.06 ccw(c-1801.41,1033.06) R208.1@-1824.45,1010.01 ; -1834,1033.06 ccw(c-1801.41,1033.06) R208.1@-1824.45,1010.01 ; -1834,1033.06 ccw(c-1801.41,1033.06) R208.1@-1824.45,1010.01 ; -1834,1062.18 cw(c-1808.23,1062.18) R211.2@-1826.45,1080.4 ; -1834,1062.18 cw(c-1808.23,1062.18) R211.2@-1826.45,1080.4 ; -1834,1062.18 cw(c-1808.23,1062.18) R211.2@-1826.45,1080.4 ; -1834,1062.18 cw(c-1808.23,1062.18) R211.2@-1826.45,1080.4
NetR209_1: R209.1 R212.2 U206.5 | length 1359.1
  Bottom Layer w13: U206.5@-1945.5,1253 -1945.5,1198.03 -1902.47,1155 -1785,1155 -1785,1148.23 -1776.5,1139.73 -1776.5,1081.73 R209.1@-1784.66,1073.58 ; R212.2@-1768,999 -1784.66,1015.66 R209.1@-1784.66,1073.58 ; R209.1@-1785.67,1099.49 ccw(c-1807.81,1121.63) -1776.5,1121.63 ; R209.1@-1785.67,1099.49 ccw(c-1807.81,1121.63) -1776.5,1121.63 ; R209.1@-1785.67,1099.49 ccw(c-1807.81,1121.63) -1776.5,1121.63 ; R209.1@-1785.67,1099.49 ccw(c-1807.81,1121.63) -1776.5,1121.63 ; -1784.66,1036.76 cw(c-1722.93,1036.76) R209.1@-1766.58,1080.4 ; -1784.66,1036.76 cw(c-1722.93,1036.76) R209.1@-1766.58,1080.4 ; -1784.66,1036.76 cw(c-1722.93,1036.76) R209.1@-1766.58,1080.4 ; -1784.66,1036.76 cw(c-1722.93,1036.76) R209.1@-1766.58,1080.4 ; -1784.66,1042.29 ccw(c-1726.9,1042.29) R212.2@-1767.65,1001.36 ; -1784.66,1042.29 ccw(c-1726.9,1042.29) R212.2@-1767.65,1001.36 ; -1784.66,1042.29 ccw(c-1726.9,1042.29) R212.2@-1767.65,1001.36 ; -1784.66,1042.29 ccw(c-1726.9,1042.29) R212.2@-1767.65,1001.36 ; -1784.66,1068.14 cw(c-1754.32,1068.14) R209.1@-1775.77,1089.59 ; -1784.66,1068.14 cw(c-1754.32,1068.14) R209.1@-1775.77,1089.59 ; -1784.66,1068.14 cw(c-1754.32,1068.14) R209.1@-1775.77,1089.59 ; -1784.66,1068.14 cw(c-1754.32,1068.14) R209.1@-1775.77,1089.59 ; R209.1@-1784.66,1073.57 ccw(c-1695.75,1073.57) R212.2@-1758.48,1010.57 ; R209.1@-1784.66,1073.57 ccw(c-1695.75,1073.57) R212.2@-1758.48,1010.57 ; R209.1@-1784.66,1073.57 ccw(c-1695.75,1073.57) R212.2@-1758.48,1010.57 ; R209.1@-1784.66,1073.57 ccw(c-1695.75,1073.57) R212.2@-1758.48,1010.57 ; -1776.5,1123.44 ccw(c-1742.63,1123.44) R209.1@-1766.58,1099.49 ; -1776.5,1123.44 ccw(c-1742.63,1123.44) R209.1@-1766.58,1099.49 ; -1776.5,1123.44 ccw(c-1742.63,1123.44) R209.1@-1766.58,1099.49 ; -1776.5,1123.44 ccw(c-1742.63,1123.44) R209.1@-1766.58,1099.49
NetR210_2: R210.2 U206.3 | length 879.1
  Top Layer w12: v2(-1869.47,1045) R210.2@-1840.47,1074 ; v2@-1869.47,1050 ccw(c-1869.47,1062.07) -1860.93,1053.54 ; v2@-1869.47,1050 ccw(c-1869.47,1062.07) -1860.93,1053.54 ; v2@-1869.47,1050 ccw(c-1869.47,1062.07) -1860.93,1053.54 ; v2@-1869.47,1050 ccw(c-1869.47,1062.07) -1860.93,1053.54 ; v2@-1867.78,1046.69 cw(c-1840.47,1019.37) R210.2@-1840.47,1058 ; v2@-1867.78,1046.69 cw(c-1840.47,1019.37) R210.2@-1840.47,1058 ; v2@-1867.78,1046.69 cw(c-1840.47,1019.37) R210.2@-1840.47,1058 ; v2@-1867.78,1046.69 cw(c-1840.47,1019.37) R210.2@-1840.47,1058 ; v2@-1864.47,1045 cw(c-1852.39,1045) -1860.93,1053.54 ; v2@-1864.47,1045 cw(c-1852.39,1045) -1860.93,1053.54 ; v2@-1864.47,1045 cw(c-1852.39,1045) -1860.93,1053.54 ; v2@-1864.47,1045 cw(c-1852.39,1045) -1860.93,1053.54 ; v2@-1862.95,1051.51 ccw(c-1883.44,1072) R210.2@-1854.47,1072 ; v2@-1862.95,1051.51 ccw(c-1883.44,1072) R210.2@-1854.47,1072 ; v2@-1862.95,1051.51 ccw(c-1883.44,1072) R210.2@-1854.47,1072 ; v2@-1862.95,1051.51 ccw(c-1883.44,1072) R210.2@-1854.47,1072
  Mid-Layer 2 w12: v2@-1899.04,1315.96 cw(c-1907.57,1307.43) -1895.5,1307.43 cw(c-1883.43,1307.43) v2@-1891.96,1315.96 ; v2@-1895.5,1319.5 v2(-1895.5,1309) -1895.5,1268 -1869.47,1241.97 v2(-1869.47,1045) ; v2@-1899.04,1305.46 cw(c-1907.57,1296.93) -1895.5,1296.93 ; v2@-1899.04,1305.46 cw(c-1907.57,1296.93) -1895.5,1296.93 ; v2@-1899.04,1305.46 cw(c-1907.57,1296.93) -1895.5,1296.93 ; -1895.5,1296.93 cw(c-1883.43,1296.93) v2@-1891.96,1305.46 ; -1895.5,1296.93 cw(c-1883.43,1296.93) v2@-1891.96,1305.46 ; -1895.5,1296.93 cw(c-1883.43,1296.93) v2@-1891.96,1305.46 ; v2@-1873,1048.54 ccw(c-1881.54,1057.07) -1869.47,1057.07 ; v2@-1873,1048.54 ccw(c-1881.54,1057.07) -1869.47,1057.07 ; v2@-1873,1048.54 ccw(c-1881.54,1057.07) -1869.47,1057.07 ; v2@-1873,1048.54 ccw(c-1881.54,1057.07) -1869.47,1057.07 ; -1869.47,1057.07 ccw(c-1857.39,1057.07) v2@-1865.93,1048.54 ; -1869.47,1057.07 ccw(c-1857.39,1057.07) v2@-1865.93,1048.54 ; -1869.47,1057.07 ccw(c-1857.39,1057.07) v2@-1865.93,1048.54 ; -1869.47,1057.07 ccw(c-1857.39,1057.07) v2@-1865.93,1048.54
  Bottom Layer w12: U206.3@-1895.5,1253 v2(-1895.5,1309) ; v2@-1899.04,1305.46 cw(c-1907.57,1296.93) -1895.5,1296.93 ; v2@-1899.04,1305.46 cw(c-1907.57,1296.93) -1895.5,1296.93 ; v2@-1899.04,1305.46 cw(c-1907.57,1296.93) -1895.5,1296.93 ; -1895.5,1296.93 cw(c-1883.43,1296.93) v2@-1891.96,1305.46 ; -1895.5,1296.93 cw(c-1883.43,1296.93) v2@-1891.96,1305.46 ; -1895.5,1296.93 cw(c-1883.43,1296.93) v2@-1891.96,1305.46